# Altium PCB Mother_board_SSL2018.PcbDoc (part 1 of 2) (continued)
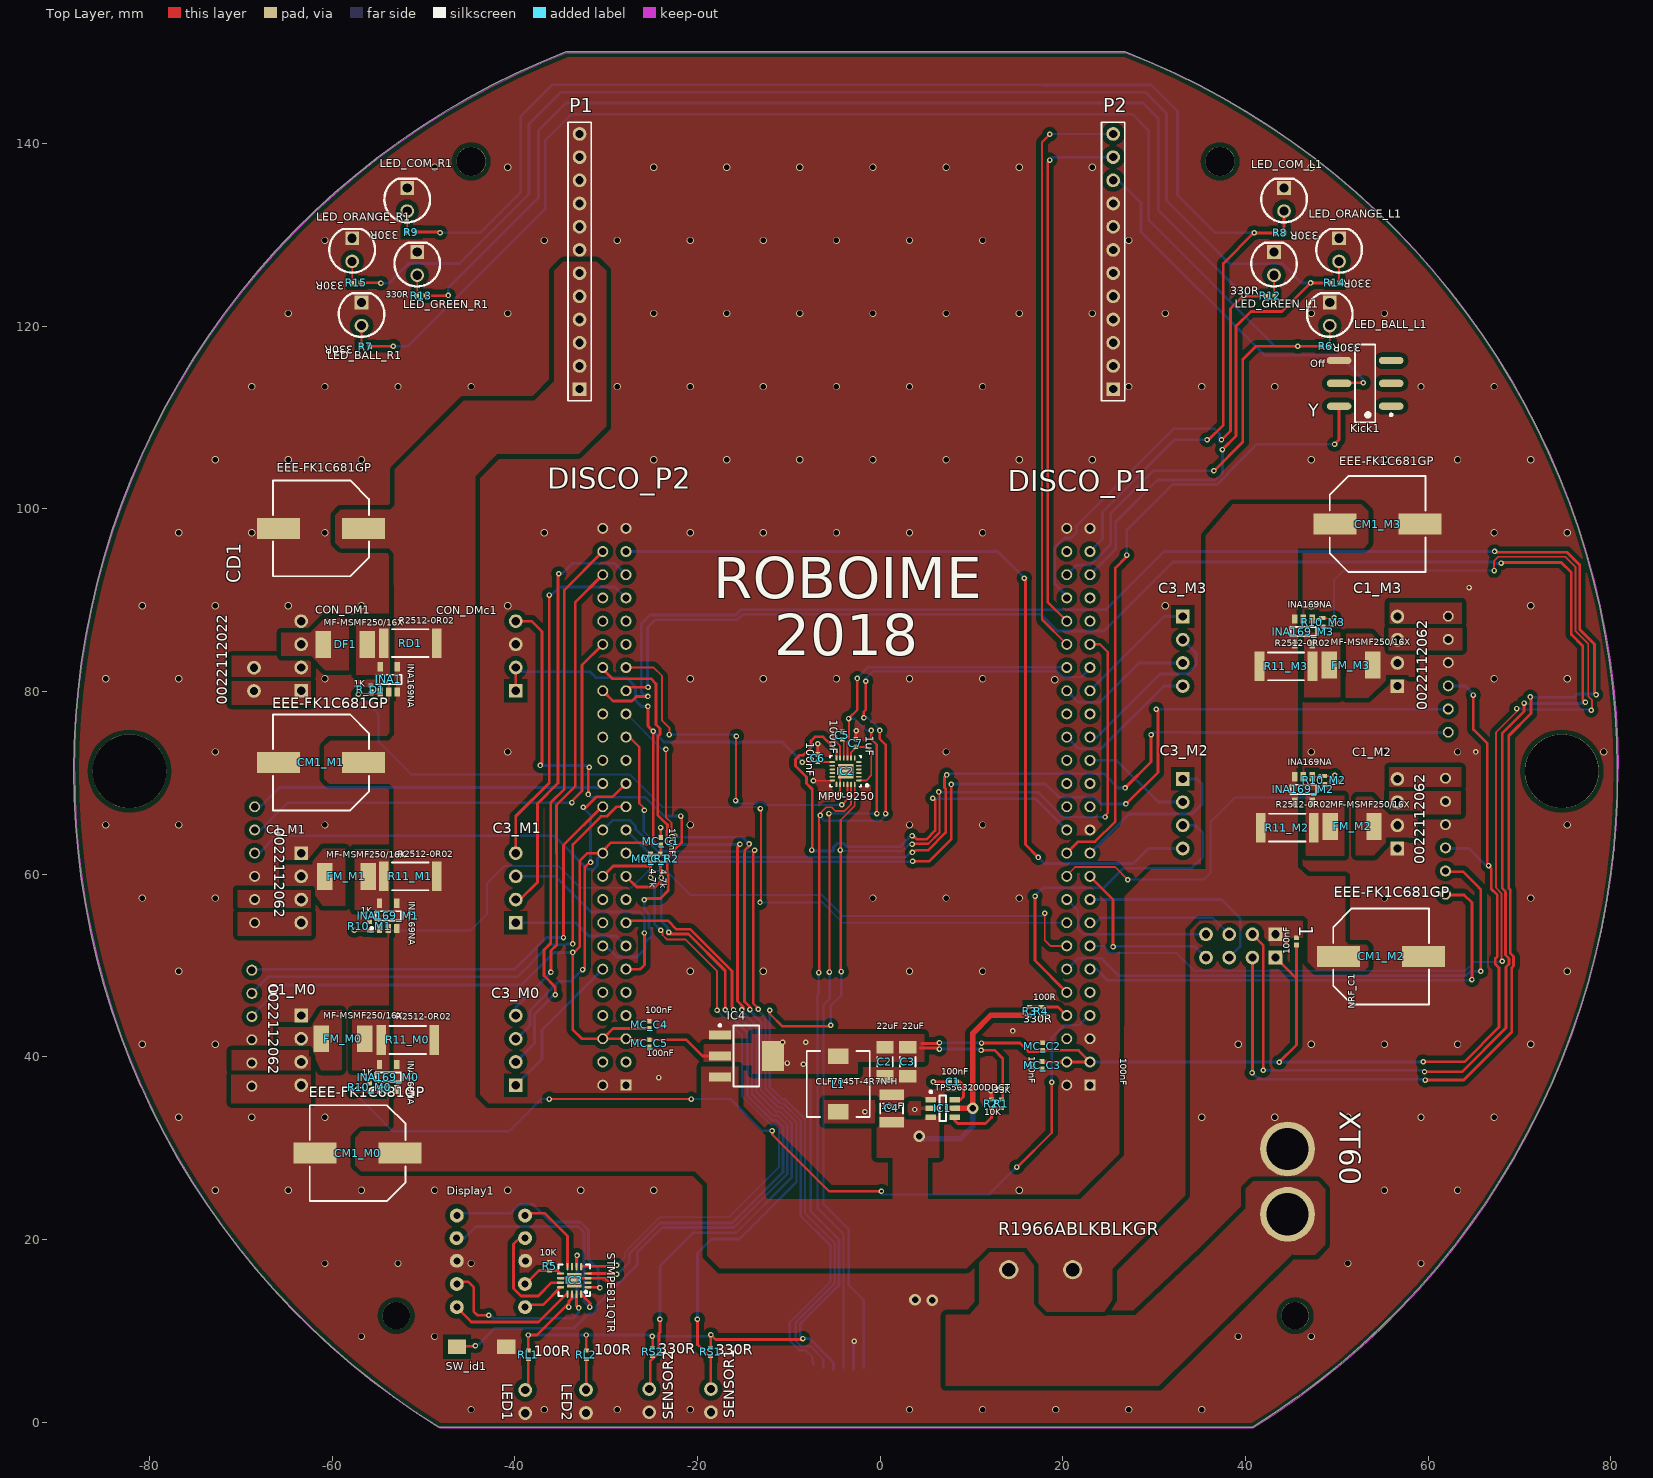
[diagram p0: Top Layer view]
## Components (designator, comment, footprint, x,y, rotation, side; value= is the part's Value field where it differs from the comment) (continued)
R12 "330R" 0402-RES-HD 42.725,123.3 r0 top value=330
R13 "330R" 0402-RES-HD -50.231,123.325 r180 top value=330
R14 "330R" 0402-RES-HD 49.775,124.725 r0 top value=330
R15 "330R" 0402-RES-HD -57.34,124.725 r180 top value=330
R_D1 "1K" 0402-RES-HD -55.763,80.201 r270 top
RD1 "R2512-0R02" 2512-RES-HD -51.445,85.281 r0 top value=0.02
RL1 "100R" 0402-RES-HD -38.512,7.38 r270 top value=100
RL2 "100R" 0402-RES-HD -32.162,7.38 r270 top value=100
RS1 "330R" 0402-RES-HD -18.55,7.684 r90 top value=330
RS2 "330R" 0402-RES-HD -24.9,7.684 r90 top value=330
SD1 "2908-05WB-MG" "New footprint 1"#2 -6.661,9.385 r0 bottom
SENSOR1 "0022112022" 02x01_Conector_Male -18.525,2.35 r90 bottom
SENSOR2 "0022112022" 02x01_Conector_Male -25.275,2.35 r90 bottom
SW "R1966ABLKBLKGR" R1966AB-PCB 14.2,6.15 r90 bottom
SW_id1 "SWITCH TACTILE 6 x 3.5 x 4.3 mm" PCBComponent -43.625,8.25 r0 top

## Footprints (in the part's own frame and the unit in brackets; to place one, negate y for a bottom-side part, rotate by r counter-clockwise, add the part's x,y. Pads: shape width x height; smd on the part's side, far side on the other; paste and mask are expansions set on the pad)
02x01_Conector_Male [mm] "0022112022"
  round 1.5 hole 0.9: 1(-1.27,0) 2(1.27,0)
  body extent -2.46,-3.25 2.46,3.1, height 3.14
04x01_Conector_Female [mm] "PPPC041LFBN-RC"
  round 1.5 hole 0.9: 0(-3.81,0) 1(-1.27,0) 2(1.27,0)
  rect 1.5x1.5 hole 0.9: 3(3.81,0)
  body extent -5.33,-1.27 5.33,1.27, height 8.5
"04x01_Conector_Female - duplicate" [mm] "PPPC041LFBN-RC"
  round 1.5 hole 0.9: 0(-3.81,0) 1(-1.27,0) 2(1.27,0)
  rect 1.5x1.5 hole 0.9: 3(3.81,0)
  body extent -5.33,-1.27 5.33,1.27, height 8.5
04x02_Conector_Female [mm] "PPPC042LFBN-RC"
  round 1.5 hole 0.9: 0(-3.81,1.27) 1(-1.27,1.27) 2(1.27,1.27) 4(-3.81,-1.27) 5(-1.27,-1.27) 6(1.27,-1.27)
  rect 1.5x1.5 hole 0.9: 3(3.81,1.27) 7(3.81,-1.27)
  body extent -5.3,-2.55 5.36,2.53, height 8.52
06x01_Conector_Male [mil] "0022112062"
  round 47.25 hole 31.5: 1(250,5) 2(150,5) 3(50,5) 4(-50,5) 5(-150,5) 6(-250,5)
  body extent -297,-115 297,135, height 124
25x02_Conector_Female [mil] "SFH11-PBPC-D25-ST-BK"
  rect 47.25x47.25 hole 31.5: 1(-1200,-50)
  round 47.25 hole 31.5: 2(-1200,50) 3(-1100,-50) 4(-1100,50) 5(-1000,-50) 6(-1000,50) 7(-900,-50) 8(-900,50) 9(-800,-50) 10(-800,50) 11(-700,-50) 12(-700,50) 13(-600,-50) 14(-600,50) 15(-500,-50) 16(-500,50) 17(-400,-50) 18(-400,50) 19(-300,-50) 20(-300,50) 21(-200,-50) 22(-200,50) 23(-100,-50) 24(-100,50) 25(0,-50) 26(0,50) 27(100,-50) 28(100,50) 29(200,-50) 30(200,50) 31(300,-50) 32(300,50) 33(400,-50) 34(400,50) 35(500,-50) 36(500,50) 37(600,-50) 38(600,50) 39(700,-50) 40(700,50) 41(800,-50) 42(800,50) 43(900,-50) 44(900,50) 45(1000,-50) 46(1000,50) 47(1100,-50) 48(1100,50) 49(1200,-50) 50(1200,50)
  body extent -1350,-121 1350,115, height 333
0402 [mm] "Chip Capacitor, Body 1.0x0.5mm, IPC High Density"
  rect 0.6x0.5 smd: 1(-0.5,0) 2(0.5,0)
  body extent -0.55,-0.3 0.55,0.3, height 1.3
0402-CAP [mm] "Chip Capacitor, Body 1.0x0.5mm, Height 0.6mm, IPC Medium Density"
  rect 0.52x0.52 smd: 1(-0.4,0) 2(0.4,0)
  body extent -0.55,-0.3 0.55,0.3, height 0.33
0402-RES-HD [mm] "Chip Resistor, Body 1.0x0.5mm, IPC High Density"
  rect 0.45x0.55 smd: 1(-0.45,0) 2(0.45,0)
  body extent -0.52,-0.27 0.53,0.28, height 0.4
1206-CAP [mm] "Chip Capacitor, Body 3.2x1.6mm, Height 1.7mm, IPC Low Density"
  rect 1.35x1.9 smd: 1(-1.6,0) 2(1.6,0)
  silkscreen extent -0.55,-0.85 0.55,0.85, body extent -1.7,-0.9 1.7,0.9, height 1.7
1210-CAP [mm]
  rect 1.15x2.7 smd: 1(-1.5,0) 2(1.5,0)
  silkscreen extent -0.55,-1.25 0.55,1.25, body extent -1.7,-1.4 1.7,1.4, height 2.8
2512-RES-HD [mm] "Chip Resistor, Body 6.4x3.2mm, IPC High Density"
  rect 1.05x3.25 smd: 1(-2.9,0) 2(2.9,0)
  silkscreen extent -2,-1.52 2,1.53, body extent -3.25,-1.7 3.25,1.7, height 0.75
BATTERY_CONECTO-PCB [mm]
  round 6 hole 4.62: 0(-3.58,0) 1(3.58,0)
  body extent -7.82,-4.19 8.08,3.96, height 16.4
CLF7045T [mm]
  rect 2.2x1.7 smd: 1(0,3.05) 2(0,-3.05)
  silkscreen extent -3.45,-3.6 3.45,3.6, body extent -3.5,-3.6 3.5,3.6, height 4.51
EEE-FK1C681GP [mm] "Aluminum Electrolytic Capacitor, Body 10,30x10,30x10,50mm, IPC Low Density"
  rect 4.7x2.3 smd: 1(-4.65,0) 2(4.65,0)
  silkscreen extent -5.25,-5.25 5.25,5.25, body extent -5.65,-5.21 5.65,5.09, height 10.41
HDR1X12 [mm] "Connector; Header; 12 Position"
  rect 1.5x1.5 hole 0.9: 1(0,0)
  round 1.5 hole 0.9: 2(2.54,0) 3(5.08,0) 4(7.62,0) 5(10.16,0) 6(12.7,0) 7(15.24,0) 8(17.78,0) 9(20.32,0) 10(22.86,0) 11(25.4,0) 12(27.94,0)
  silkscreen extent -1.27,-1.27 29.21,1.27
LED-5MM-PCB [mm]
  rect 1.5x1.5 hole 1: 1(1.27,0)
  round 1.5 hole 1: 2(-1.27,0)
  silkscreen extent -2.5,-2.5 2.28,2.5, body extent -2.98,-3.01 2.44,3.01, height 8.59
MPU-9250 [mm] "IMU ACCEL/GYRO/MAG I2C/SPI 24QFN"
  oval 0.6x0.2 smd: 1(-1.45,1) 2(-1.45,0.6) 3(-1.45,0.2) 4(-1.45,-0.2) 5(-1.45,-0.6) 6(-1.45,-1) 13(1.45,-1) 14(1.45,-0.6) 15(1.45,-0.2) 16(1.45,0.2) 17(1.45,0.6) 18(1.45,1)
  oval 0.2x0.6 smd: 7(-1,-1.45) 8(-0.6,-1.45) 9(-0.2,-1.45) 10(0.2,-1.45) 11(0.6,-1.45) 12(1,-1.45) 19(1,1.45) 20(0.6,1.45) 21(0.2,1.45) 22(-0.2,1.45) 23(-0.6,1.45) 24(-1,1.45)
  rect 1.7x1.54 smd: 18(0,0)
  silkscreen extent -2.48,-1.7 1.7,1.7, body extent -1.55,-1.55 1.55,1.55, height 1.05
"New footprint 1"#1 [mil]
  round 60 hole 30: 1(-110,190) 2(-111.22,92.52) 3(-110,-5) 4(-110,-105) 5(-110,-205) 6(184.06,190) 7(184.29,92.52) 8(185.28,-5) 9(183.31,-105) 10(184.29,-205)
  body extent -149,-255 150,245, height 283
"New footprint 1"#2 [mil]
  rect 31.5x59.06 smd: 1(-68.5,135.04) 2(-25.2,119.29) 3(18.11,135.04) 4(61.42,142.91) 5(104.72,135.04) 6(148.03,142.91) 7(191.34,135.04) 8(234.65,135.04)
  rect 55.12x74.8 smd: M1(269.29,246.85) M2(-269.29,291.73)
  rect 70.87x55.12 smd: M3(201.97,-291.73) M4(-22.44,-291.73)
  silkscreen extent -271,-292 280,308, body extent -269,-292 282,309, height 75
PCBComponent [mm]
  rect 2x1.6 smd: 1(-2.7,0) 2(2.7,0)
  body extent -3.65,-1.75 3.65,1.75, height 5
QFN16_N [mm] "QFN, 16-Leads, Body 3x3mm, Pitch 0.5mm, Thermal Pad 1.6x1.6mm, IPC Medium Density"
  oval 0.8x0.25 smd: 1(-1.5,0.75) 2(-1.5,0.25) 3(-1.5,-0.25) 4(-1.5,-0.75) 9(1.5,-0.75) 10(1.5,-0.25) 11(1.5,0.25) 12(1.5,0.75)
  oval 0.25x0.8 smd: 5(-0.75,-1.5) 6(-0.25,-1.5) 7(0.25,-1.5) 8(0.75,-1.5) 13(0.75,1.5) 14(0.25,1.5) 15(-0.25,1.5) 16(-0.75,1.5)
  rect 1.6x1.6 smd: TH(0,0)
  silkscreen extent -1.73,-1.73 1.73,1.73, body extent -1.58,-1.58 1.58,1.58, height 1
R1966AB-PCB [mm] "SWITCH ROCKER SPST 15A 125V"
  round 2.1 hole 1.5: 0(10.541,-0.117)
  round 2.1 hole 1.5 paste+0: 1(10.541,6.883)
  body extent -11.38,-10.67 11.12,10.28, height 15.6
RESC4632X16N [mm] "Chip Resistor, 2-Leads, Body 4,60x3,24mm, IPC Medium Density"
  rect 1.68x2.95 smd: 1(-2.39,0) 2(2.39,0)
  body extent -2.3,-1.62 2.3,1.62, height 1.15
SOP250P750X350-6N [mm] "SOP, 6-Leads, Body 8,50x3,00mm, Pitch 2,50mm, IPC Medium Density"
  oval 2.7x0.8 smd: 1(-2.85,2.5) 2(-2.85,0) 3(-2.85,-2.5) 4(2.85,-2.5) 5(2.85,0) 6(2.85,2.5)
  silkscreen extent -2.98,-4.25 1.1,4.25, body extent -3.62,-4.5 3.88,4.5, height 5.57
SOT95P280X110-6N [mm] "SOT23, 6-Leads, Body 2,90x2,80mm, Pitch 0,95mm, IPC Medium Density"
  rect 1.15x0.6 smd: 1(-1.3,0.95) 2(-1.3,0) 3(-1.3,-0.95) 4(1.3,-0.95) 5(1.3,0) 6(1.3,0.95)
  silkscreen extent -1.42,-1.4 0.35,1.92, body extent -0.72,-1.37 0.72,1.38, height 1.1
SOT95P280X125-5N [mm] "SOT23, 5-Leads, Body 2,90x2,80mm, Pitch 0,95mm, IPC Medium Density"
  rect 1x0.6 smd: 1(-1.375,0.95) 2(-1.375,0) 3(-1.375,-0.95) 4(1.375,-0.95) 5(1.375,0.95)
  silkscreen extent -1.5,-1.4 0.5,1.92, body extent -0.88,-1.37 0.87,1.38, height 1.25
SOT-223_N [mm] "SOT223, 4-Leads, Body 6.5x3.5mm, Pitch 2.3mm, Lead Span 7mm, IPC Medium Density"
  rect 2.4x1 smd: 1(-2.9,2.3) 2(-2.9,0) 3(-2.9,-2.3)
  rect 2.4x3.3 smd: 4(2.9,0)
  silkscreen extent -3.02,-3.35 1.4,3.47, body extent -1.85,-3.35 1.85,3.35, height 1.8

## Part data
1: library part 04x02_Conector_Female, "8 Position Header Connector 0.100\" (2.54mm) Through Hole Gold"
06x01_Conector_Male_M0 06x01_Conector_Male_M1 06x01_Conector_Male_M2 06x01_Conector_Male_M3: library part 06x01_Conector_Male, "CONN HEADER 6POS .100 VERT GOLD"
BAT: library part BATTERY_CONNECTOR, "XT60 PRT-10474"
C1: library part CC0402-100nF-50v-A.3, "CAP CER 0.1UF 50V 10% X7R 0402", Part No=C1005X7R1H104K050BB, Cod EMS=05.281.019.021
C1_M0 C1_M1 C1_M2 C1_M3 C3_M0 C3_M1 C3_M2 C3_M3 CON_DM1 CON_DMc1: library part 04x01_Conector_Female-SCH, "4 Position Header Connector 0.100\" (2.54mm) Through Hole Gold"
C2 C3: library part CC1206-22uF-6.3V-1, "CAP CER 22UF 6.3V 20% X5R 1206", Part No=C3216X5R0J226M085AC, Rule="Polygon Connect Style [Style - Direct Connect]"
C4: library part CC1210-10uF-6, "CAP CER 10UF 50V 20% X5R 1210", Part No=UMK325BJ106MM, Cod EMS=05.281.019.522
C5 C6 MC_C1 MC_C2 MC_C3 MC_C4 MC_C5 NRF_C1: library part CC0402-100nF-A.12, "CAP CER 0.1UF 10V 20% X5R 0402", Part No=VJ0402V104ZXQPBC, Cod EMS=05.281.006.133
C7: library part CC0402-1uF-5, "CAP CER 1UF 6.3V 10% X5R 0402", Part No=JMK105BJ105KV-F, Cod EMS=05.281.019.513
CD1 CM1_M0 CM1_M1 CM1_M2 CM1_M3: library part "CAP AL 680UF/16V", "Aluminum Electrolytic Capacitors - SMD Al Lytic Cap SMT FK Series 105C"
CON_DRIBLE1 LED1 LED2 SENSOR1 SENSOR2: library part 02x01_Conector_Male, "CONN HEADER 2POS .100 VERT GOLD"
DF1 FM_M0 FM_M1 FM_M2 FM_M3: library part MF-MSMF250/16X-01.A.1, "PTC RESETTABLE .30A 30V 1812"
DISCO_P1 DISCO_P2: library part 25x02_Conector_Female, "50 Position Header Connector 0.100\" (2.54mm) Through Hole Gold"
Display1: library part HDSP-F513-01.A.2, "7 segments display"
IC1: library part TPS563200DDCT-01.A.2, "IC REG BUCK ADJ 3A SYNC 6SOT"
IC2: library part MPU-9250-1, "IMU ACCEL/GYRO/MAG I2C/SPI 24QFN", Part No=MPU-9250
IC3: library part STMPE811QTR-6, "IC TSC I/O EXPAND 8B 16QFN", Cod EMS=05.284.001.511, Part No=STMPE811QTR
IC4: library part CMP-0244-00307-1, "Fixed Low Drop Positive Voltage Regulator, 3.3V, 4-Pin SOT-223, Tape and Reel", ComponentLink1Description="Manufacturer URL", ComponentLink1URL=http://www.st.com, ComponentLink2Description=Datasheet, ComponentLink2URL=http://www.st.com/internet/com/TECHNICAL_RESOURCES/TECHNICAL_LITERATURE/DATASHEET/CD00000544.pdf, DatasheetVersion=1/11/2011, PackageDescription="4-Pin SOT-223 Package, 6.5 x 3.5 mm Body, 2.3 mm Pitch, 7 mm Lead Span", PackageReference=SOT-223, PackageVersion=2010
INA1 INA169_M0 INA169_M1 INA169_M2 INA169_M3: library part INA169NA-01.A.1, "IC CURRENT MONITOR 0.5% SOT23-5"
Kick1: library part JS202011SCQN-1, "SWITCH SLIDE DPDT 300MA 6V", Part No=JS202011SCQN
L1: library part CLF7045T-4R7N-H-2, "FIXED IND 4.7UH 4.1A 20 MOHM SMD", Family=CLF7045T, Family Description="INDUTORES FIXOS 7,2x6,9mm TDK CLF7045T -45 A 125oC", Part No=CLF7045T-4R7N-H, Rule="Polygon Connect Style [Style - Direct Connect]"
LED_BALL_L1 LED_BALL_R1 LED_COM_L1 LED_COM_R1 LED_GREEN_L1 LED_GREEN_R1 LED_ORANGE_L1 LED_ORANGE_R1: library part LED-5MM-3, "LED 5MM PTH"
MC_R1 MC_R2: library part Res1, "Resistor", LatestRevisionDate=17-Jul-2002, LatestRevisionNote="Re-released for DXP Platform.", PackageDescription="Axial Device, Thru-Hole; 2 Leads; 0.3 in Pin Spacing", PackageReference=AXIAL-0.3, Published=8-Jun-2000, Publisher="Altium Limited"
P1 P2: "Header, 12-Pin", LatestRevisionDate=17-Jul-2002, LatestRevisionNote="Re-released for DXP Platform.", Publisher="Altium Limited"
R1: library part R0402-33K-7, "RES 33K OHM 1/10W 1% 0402 SMD", Part No=ERJ-2RKF3302X, Cod EMS=05.280.029.535, Family=ERJ-2RKF....X, Family Description="RESISTOR FILME ESPESSO 10R-1M / 1/10W / 1% / 0402. P/N: ERJ-2RKF....X – PANASONIC ELECTRONIC COMPONENTS."
R2: library part R0402-10K-10, "RES 10K OHM 1/10W 1% 0402 SMD", Part No=ERJ-2RKF1002X, Cod EMS=05.280.029.525, Family=ERJ-2RKF....X, Family Description="RESISTOR FILME ESPESSO 10R-1M / 1/10W / 1% / 0402. P/N: ERJ-2RKF....X – PANASONIC ELECTRONIC COMPONENTS."
R3: library part R0402-10K-10, "RES 330R OHM 1/10W 1% 0402 SMD", Part No=ERJ-2RKF1002X, Cod EMS=05.280.029.525, Family=ERJ-2RKF....X, Family Description="RESISTOR FILME ESPESSO 10R-1M / 1/10W / 1% / 0402. P/N: ERJ-2RKF....X – PANASONIC ELECTRONIC COMPONENTS."
R4: library part R0402-33K-7, "RES 100R OHM 1/10W 1% 0402 SMD", Part No=ERJ-2RKF3302X, Cod EMS=05.280.029.535, Family=ERJ-2RKF....X, Family Description="RESISTOR FILME ESPESSO 10R-1M / 1/10W / 1% / 0402. P/N: ERJ-2RKF....X – PANASONIC ELECTRONIC COMPONENTS."
R5: library part R0402-10K-11, "RES 10K OHM 1/10W 1% 0402 SMD", Part No=ERJ-2RKF1002X, Cod EMS=05.280.029.525, Family=ERJ-2RKF....X, Family Description="RESISTOR FILME ESPESSO 10R-1M / 1/10W / 1% / 0402. P/N: ERJ-2RKF....X – PANASONIC ELECTRONIC COMPONENTS."
R6 R7 R8 R9 R12 R13 R14 R15 RS1 RS2: library part R0402-330R-7, "RES 330 OHM 1/10W 1% 0402 SMD", Part No=ERJ-2RKF3300X, Cod EMS=05.280.029.506, Family=ERJ-2RKF....X, Family Description="RESISTOR FILME ESPESSO 10R-1M / 1/10W / 1% / 0402. P/N: ERJ-2RKF....X – PANASONIC ELECTRONIC COMPONENTS."
R10_M0 R10_M1 R10_M2 R10_M3 R_D1: library part R0402-1K-A.9, "RES 1K OHM 1/10W 1% 0402 SMD", Part No=ERJ-2RKF1001X, Cod EMS=05.280.029.527, Family=ERJ-2RKF....X, Family Description="RESISTOR FILME ESPESSO 10R-1M / 1/10W / 1% / 0402. P/N: ERJ-2RKF....X – PANASONIC ELECTRONIC COMPONENTS."
R11_M0 R11_M1 R11_M2 R11_M3 RD1: library part R2512-0R02-4, "RES .02 OHM 2W 1% 2512 SMD", Part No=WSL2512R0200FEA18, Cod EMS=05.280.029.529, Family=WSL2512.....FEA18, Family Description="RESISTOR SENTIDO DE CORRENTE 0,010R-0,040R/ 2W / 1% / 2512 P/N: WSL2512.....FEA18 – VISHAY DALE."
RL1 RL2: library part R0402-100R-5, "RES 100 OHM 1/10W 1% 0402 SMD", Part No=ERJ-2RKF1000X, Cod EMS=05.280.029.519, Family=ERJ-2RKF....X, Family Description="RESISTOR FILME ESPESSO 10R-1M / 1/10W / 1% / 0402. P/N: ERJ-2RKF....X – PANASONIC ELECTRONIC COMPONENTS."
SD1: library part 2908-05WB-MG-01.A.1, "CONN MICRO SD CARD PUSH-PUSH R/A"
SW: library part "Rocker Switch", "SWITCH ROCKER SPST 15A 125V"
SW_id1: library part 95C04A3GWRT.-1, "GRAYHILL TACT,GW,6X3.5,1800T&R,LF Eight, 160g Operating Force, Gull Wing, RoHS Compliant", Part No=95C04A3GWRT

## Free pads (board coordinates)
  round 8.083 hole 8.083: 1(-82.183,71.261) 1(74.633,71.261)
  round 3 hole 3: 1(-52.977,11.663) 1(45.427,11.663)
  round 3.2 hole 3.2: 1(-44.775,138.025) 1(37.225,138.025)

## Via types
v1: diameter 0.6, hole 0.3, Top Layer to Bottom Layer, 167 vias
v2: diameter 0.8, hole 0.6, Top Layer to Bottom Layer, 160 vias
v3: diameter 1.27, hole 0.711, Top Layer to Bottom Layer, 4 vias

## Nets (pads, with @x,y where several pads share a name; then routed paths per layer and width w, separated by ;. In a path a pad name is that pad's centre, name@x,y a point inside that pad or via, vN(x,y) a via of type N, cw(c..) or ccw(c..) an arc to the next point about the centre after c; other vN are vias at no path point)
a: Display1.6 IC3.8 | length 8.9
  Top Layer w0.3: Display1.6@-38.75,22.876 -36.726,22.876 -34.235,20.385 IC3.8@-34.235,17.017
b: Display1.7 IC3.11 | length 12.7
  Top Layer w0.3: Display1.7@-38.744,20.4 -39.225,20.4 -40.125,19.5 -40.125,14.625 -39.3,13.8 -37.425,13.8 -35.958,15.267 IC3.11@-34.985,15.267
BAT_REF: DISCO_P1.8 R3.1 R4.2 | length 5.9
  Top Layer w0.3: R4.2@17.643,45.436 R3.1@16.373,45.436 19.464,45.436 20.412,44.488 DISCO_P1.8@20.525,44.375
Blue_led: DISCO_P1.47 R8.1 R9.1 | length 162.2
  Top Layer w0.3: R9.1@-50.85,130.3 v1@-48.175,130.3 ; v1@35.9,107.5 37.575,109.175 37.575,126.85 v1(40.95,130.225) ; v1@41.075,130.2 R8.1@43.35,130.2
  Bottom Layer w0.3: v1(-48.175,130.225) -43.75,130.225 -39.35,134.625 -39.35,142.925 -35.85,146.425 18,146.425 18.025,146.4 29.7,146.4 32.55,143.55 32.55,134.35 36.675,130.225 v1(40.95,130.225) ; DISCO_P1.47@22.977,95.314 24.35,96.687 24.35,99.65 32.25,107.55 v1(35.8,107.55)
c: Display1.10 IC3.12 | length 4.6
  Top Layer w0.3: Display1.10@-38.744,12.843 -36.909,12.843 IC3.12@-34.985,14.767
CA: DISCO_P1.40 P2.12 | length 64.4
  Top Layer w0.255: v1(18.575,141) 18.575,140.967 17.725,140.117 17.725,133.143 17.725,87.866 DISCO_P1.40@20.437,85.154
  Bottom Layer w0.255: v1(18.575,141) 18.575,140.992 18.562,140.979 18.562,141.034 P2.12@25.517,141.034
CB: DISCO_P1.42 P2.11 | length 58.7
  Top Layer w0.255: v1(18.575,138.175) 18.337,137.937 18.337,89.794 DISCO_P1.42@20.437,87.694
  Bottom Layer w0.255: v1(18.575,138.175) 18.467,138.175 18.786,138.494 P2.11@25.517,138.494
CE: Kick1.5 P2.10 | length 41.5
  Top Layer w0.3: Kick1.5@50.025,113.8 v1(52.9,113.8)
  Bottom Layer w0.3: P2.10@25.517,135.954 26.121,135.954 28.575,133.5 28.575,130.325 42.088,116.812 50.212,116.812 52.9,114.125 v1(52.9,113.8)
CE_uc: DISCO_P1.22 Kick1.6 | length 70.1
  Top Layer w0.3: DISCO_P1.22@20.437,62.294 21.693,63.55 23.525,63.55 25.75,65.775 25.75,93.5 27,94.75 v1(27,94.925) ; v1(49.75,107.05) 50.25,107.55 Kick1.6@50.25,111.225
  Bottom Layer w0.3: v1@27,95.05 27,97.65 32,102.65 36.907,102.65 37.975,103.718 37.975,103.825 41.2,107.05 v1(49.75,107.05)
d: Display1.5 IC3.13 | length 14.3
  Top Layer w0.3: Display1.5@-46.219,12.843 -46.219,12.419 -44.75,10.95 -37.4,10.95 -34.333,14.017 IC3.13@-34.235,14.017
D_CUR: DISCO_P1.16 INA1.1 R_D1.2 | length 98.5
  Top Layer w0.2: v1@-57.166,79.751 R_D1.2@-55.763,79.751 -54.943,79.751 INA1.1@-54.747,79.947 ; v1(-13.15,56.9) -13.05,57 -13.05,67.125 v1(-13.1,67.175)
  Bottom Layer w0.2: v1(-57.113,79.679) -54.913,77.479 -54.913,74.479 -51.348,70.914 -27.409,70.914 -23.82,67.325 -13.25,67.325 v1(-13.1,67.175) v1@-12.95,67.025 ; v1(-13.15,56.9) -6.442,56.9 -6.392,56.95 -4.115,54.674 DISCO_P1.16@20.437,54.674
DA: CON_DM1.2 CON_DRIBLE1.2
DAH: CON_DMc1.0 DISCO_P2.14 | length 60.4
  Top Layer w0.3: CON_DMc1.0@-39.888,87.694 -38.151,87.694 -37.025,86.568 v1@-37.025,72.125 ; v1(-31.95,68.725) -31.95,71.6 v1(-31.85,71.7) ; -25.525,57.325 -24.05,57.325 -23.2,58.175 -23.2,59.936 -23.3,60.036 -23.3,61.875 -21.725,63.45 -21.725,66.254 v1(-21.825,66.354)
  Bottom Layer w0.3: v1(-37.2,71.9) -32.225,71.9 v1@-31.975,71.65 ; v1(-31.95,68.725) -31.95,68.697 -31.676,68.424 -25.724,68.424 -23.654,66.354 v1(-21.825,66.354) ; DISCO_P2.14@-30.363,52.134 -30.034,52.134 -28.825,50.925 -26.525,50.925 -26.525,51.025 -25.75,51.8 -25.75,52.539 -25.05,53.239 -25.05,53.861 -25.3,54.111 -25.3,55.586 -25.825,56.111 v1(-25.825,57.2)
DB: CON_DM1.3 CON_DRIBLE1.1
DP: Display1.9 IC3.9 R5.1 | length 4.5
  Top Layer w0.3: Display1.9@-38.769,15.383 -38.567,15.383 -37.35,16.6 R5.1@-36.175,16.6 ; R5.1@-36.2,16.6 -35.318,16.6 IC3.9@-34.985,16.267
e: Display1.4 IC3.15 | length 18.7
  Top Layer w0.3: Display1.4@-46.219,15.383 -45.108,15.383 -44.5,14.775 -44.5,12.125 -44.075,11.7 v1(-42.85,11.7) ; -33.235,12.71 IC3.15@-33.235,14.017
  Bottom Layer w0.3: v1@-43.025,11.675 v1@-42.85,11.675 ; v1(-42.85,11.7) -42.679,11.7 -42.352,11.373 -33.602,11.373 -33,11.975 v1(-33,12.5)
f: Display1.2 IC3.16 | length 24.9
  Top Layer w0.3: IC3.16@-32.735,14.017 -31.697,12.978 -31.8,12.875 v1(-31.8,12.6)
  Bottom Layer w0.3: Display1.2@-46.206,20.142 -45.508,20.142 -44.244,21.406 -33.031,21.406 -32.425,20.8 -32.425,13.225 v1(-31.8,12.6)
g: Display1.1 IC3.1 | length 23.9
  Top Layer w0.3: IC3.1@-31.985,14.767 v1@-30.858,14.767
  Bottom Layer w0.3: Display1.1@-46.219,22.876 -40.424,22.876 -39.47,23.83 -37.98,23.83 -36.056,21.906 -32.824,21.906 -31.925,21.007 -31.925,17.775 -30.85,16.7 -30.85,14.806 -30.744,14.7 v1(-30.675,14.7) v1@-30.675,14.625
GND: 1.3 06x01_Conector_Male_M0.3 06x01_Conector_Male_M1.3 06x01_Conector_Male_M2.3 06x01_Conector_Male_M3.3 BAT.1 C1_M0.3 C1_M1.3 C1_M2.3 C1_M3.3 C2.1 C3.1 C4.1 C5.2 C6.2 C7.2 CD1.2 CM1_M0.2 CM1_M1.2 CM1_M2.2 CM1_M3.2 CON_DM1.0 CON_DMc1.1 DISCO_P1.1 DISCO_P1.2 DISCO_P1.5 DISCO_P1.23 DISCO_P1.49 DISCO_P1.50 DISCO_P2.1 DISCO_P2.2 DISCO_P2.49 DISCO_P2.50 Display1.3 Display1.8 IC1.1 IC2.11 IC2.18 IC2.20 IC3.3 IC3.10 IC3.TH IC4.1 INA1.2 INA169_M0.2 INA169_M1.2 INA169_M2.2 INA169_M3.2 Kick1.4 LED1.1 LED2.1 LED_BALL_L1.1 LED_BALL_R1.1 LED_COM_L1.1 LED_COM_R1.1 LED_GREEN_L1.1 LED_GREEN_R1.1 LED_ORANGE_L1.1 LED_ORANGE_R1.1 MC_C1.1 MC_C2.2 MC_C3.1 MC_C4.1 MC_C5.1 NRF_C1.2 P1.7 P1.8 P1.9 P1.10 P1.11 P1.12 P2.1 P2.2 P2.3 P2.4 P2.5 P2.6 P2.7 P2.8 P2.9 R2.1 R4.1 R5.2 R10_M0.1 R10_M1.1 R10_M2.1 R10_M3.1 R_D1.1 SD1.6 SENSOR1.1 SENSOR2.1 SW_id1.2 | length 20.5
  Top Layer w0.2: v1@-7.175,70.25 -5.225,70.226 IC2.18@-5.175,70.225 ; -5.15,75.6 -5.15,74.8 -4.375,74.025 IC2.11@-4.375,72.625 ; v1@-4.375,68.825 IC2.18@-4.375,71.225
  Top Layer w0.3: IC3.10@-34.985,15.767 -33.735,15.767 IC3.TH@-33.485,15.517 -33.235,15.767 IC3.3@-31.985,15.767 -31.96,15.742 -30.067,15.742 -29.625,15.3 ; MC_C1.1@-24.013,64.004 v1@-24.013,64.962 ; C6.2@-6.825,73.1 v1(-6.825,74.275) ; C7.2@-2.675,74.75 v1@-2.675,75.675 ; R2.1@12.182,35.312 v1@12.182,36.332
  Bottom Layer w0.3: SD1.6@-2.901,5.755 v1@-2.901,8.724
  other v1: -2.825,8.85 12.1,36.3 -24.225,37.725 14.525,42.825 -24.038,65.1 -4.35,68.725 -7.3,70.226 65.2,73.375 -2.625,75.696 64.475,91.375
  other v2: -44.782,1.377 -36.782,1.377 -28.782,1.377 -20.782,1.377 3.218,1.377 11.218,1.377 19.218,1.377 27.218,1.377 35.218,1.377 -56.782,9.377 -48.782,9.377 39.218,9.377 47.218,9.377 -60.782,17.377 -52.782,17.377 -44.782,17.377 51.218,17.377 59.218,17.377 -72.782,25.377 -64.782,25.377 -56.782,25.377 -48.782,25.377 -40.782,25.377 -32.782,25.377 -24.782,25.377 15.218,25.377 55.218,25.377 63.218,25.377 -76.782,33.377 -68.782,33.377 -60.782,33.377 35.218,33.377 43.218,33.377 51.218,33.377 59.218,33.377 67.218,33.377 -80.782,41.377 -72.782,41.377 39.218,41.377 47.218,41.377 55.218,41.377 63.218,41.377 71.218,41.377 -76.782,49.377 -20.782,49.377 -12.782,49.377 3.218,49.377 11.218,49.377 75.218,49.377 -80.782,57.377 -72.782,57.377 -0.782,57.377 7.218,57.377 15.218,57.377 55.218,57.377 71.218,57.377 -84.782,65.377 -76.782,65.377 -60.782,65.377 -20.782,65.377 3.218,65.377 11.218,65.377 75.218,65.377 -72.782,73.377 -40.782,73.377 7.218,73.377 47.218,73.377 55.218,73.377 63.218,73.377 79.218,73.377 19.126,81.272 -84.782,81.377 -76.782,81.377 -60.782,81.377 -20.782,81.377 -12.782,81.377 -4.782,81.377 3.218,81.377 11.218,81.377 67.218,81.377 75.218,81.377 -80.782,89.377 -72.782,89.377 -64.782,89.377 -56.782,89.377 -40.782,89.377 31.218,89.377 47.218,89.377 71.218,89.377 -76.782,97.377 -68.782,97.377 -60.782,97.377 -36.782,97.377 -20.782,97.377 -12.782,97.377 -4.782,97.377 3.218,97.377 11.218,97.377 67.218,97.377 75.218,97.377 -72.782,105.377 -64.782,105.377 -56.782,105.377 -24.782,105.377 -16.782,105.377 -8.782,105.377 -0.782,105.377 7.218,105.377 15.218,105.377 23.218,105.377 47.218,105.377 55.218,105.377 63.218,105.377 71.218,105.377 -68.782,113.377 -60.782,113.377 -52.782,113.377 -44.782,113.377 -28.782,113.377 -20.782,113.377 -12.782,113.377 -4.782,113.377 3.218,113.377 11.218,113.377 27.218,113.377 35.218,113.377 43.218,113.377 59.218,113.377 67.218,113.377 -64.782,121.377 -40.782,121.377 -24.782,121.377 -16.782,121.377 -8.782,121.377 -0.782,121.377 7.218,121.377 15.218,121.377 23.218,121.377 31.218,121.377 47.218,121.377 55.218,121.377 -60.782,129.377 -36.782,129.377 -28.782,129.377 -20.782,129.377 -12.782,129.377 -4.782,129.377 3.218,129.377 11.218,129.377 27.218,129.377 -48.782,137.377 -40.782,137.377 -24.782,137.377 -16.782,137.377 -8.782,137.377 -0.782,137.377 7.218,137.377 15.218,137.377 23.218,137.377 47.218,137.377
  other v3: 5.725,13.332 3.825,13.4
I2C.SCL: DISCO_P2.19 IC3.4 MC_R2.1 | length 72
  Top Layer w0.3: IC3.4@-31.985,16.267 v1@-28.933,16.267 ; DISCO_P2.19@-27.823,59.754 -26.644,58.575 -24.625,58.575 -24.038,59.162 MC_R2.1@-24.038,61.129 ; v1@-23.275,53.45 -20.984,53.45 -16.951,49.416 v1(-16.951,45.145) ; -21.125,53.45 -21.1,53.425
  Bottom Layer w0.3: v1(-28.85,16.2) -28.764,16.2 -27.454,17.511 -27.454,18.454 -24.107,21.8 -16.2,21.8 -10.635,27.365 -10.635,32.336 -11.349,33.05 -11.833,33.05 -14.51,35.727 -14.51,41.485 -14.532,41.507 -14.532,42.632 -16.295,44.395 -16.361,44.395 -16.951,44.984 v1(-16.951,45.145) ; v1(-23.95,59.625) -23.95,54.835 -23.276,54.161 v1@-23.276,53.851
  other v1: -23.126,53.62
I2C.SDA: DISCO_P2.20 IC3.5 MC_R1.1 | length 72.4
  Top Layer w0.2: v1@-24.05,53.9 -24.026,53.876 v1(-24.026,53.85) -23.826,53.65 -23.826,53.33 -23.348,52.852 -21.327,52.852 -17.851,49.376 v1(-17.851,45.095)
  Top Layer w0.3: -32.575,17.075 v1@-29.025,17.075 ; DISCO_P2.20@-30.363,59.754 -29.22,60.897 -25.42,60.897 MC_R1.1@-25.138,61.179 v1@-25.138,59.738
  Bottom Layer w0.2: v1(-28.85,17.175) -27.904,18.121 -27.904,18.64 -24.118,22.425 -16.575,22.425 -11.085,27.915 -11.085,32.15 -11.535,32.6 -12.02,32.6 -15.125,35.705 -15.125,42.369 -17.201,44.445 -17.241,44.445 -17.851,45.055 v1(-17.851,45.095)
  Bottom Layer w0.3: v1(-25.125,59.625) -24.7,59.2 -24.7,54.524 v1(-24.026,53.85)
ID_B: DISCO_P2.15 SW_id1.1 | length 84.3
  Top Layer w0.3: SW_id1.1@-46.475,8.3 v1@-44.35,8.3 ; DISCO_P2.15@-27.823,54.674 -27.501,54.674 -27.275,54.9 -23.225,54.9 -22.275,53.95 -20.777,53.95 -16.202,49.375 -16.202,45.457 -16.201,45.456 -16.201,45.295 v1(-16.051,45.145)
  Bottom Layer w0.255: -16.025,21.3 -10.157,27.167 -10.157,32.534 -11.151,33.527 -11.635,33.527 -14.032,35.925 -14.032,41.175
  Bottom Layer w0.3: v1@-44.425,8.525 -43.925,8.525 -42.161,10.289 -33.511,10.289 -31.95,11.85 -31.489,11.85 -31.05,12.289 -31.05,12.75 -26.6,17.2 -26.6,18.575 -23.875,21.3 -16.025,21.3 ; v1(-44.3,8.35) v1@-44.261,8.389 ; v1(-16.051,45.145) -16.051,44.984 -14.032,42.966 -14.032,41.715 -14.01,41.692 -14.01,41.175
INT_MPU: DISCO_P1.24 IC2.12 | length 53.4
  Top Layer w0.2: -5.4,74.175 -4.775,73.55 IC2.12@-4.775,72.711
  Top Layer w0.3: -8.037,70.463 -8.05,70.475 ; v1(-7.475,62.625) -7.425,62.675 -7.425,69.29 -8.05,69.915 -8.05,70.475 ; -5.4,74.175 -6.25,75.025 -7.136,75.025 -7.575,74.586 -7.575,73.85 -8.425,73 -8.836,73 -9.275,72.561 -9.275,71.85 -8.05,70.625 -8.05,70.536 -8.05,70.475 ; v1@3.65,64.021 3.811,64.021 4.029,63.802 5.077,63.802 6.025,64.751 6.025,68.05 v1(5.775,68.3)
  Bottom Layer w0.3: v1@-7.35,62.525 -5.198,62.525 -5.1,62.623 -5.1,62.936 -4.661,63.375 -4.039,63.375 -3.667,63.002 2.227,63.002 2.75,63.526 2.75,63.581 3.369,64.2 v1(3.5,64.2) ; v1@5.614,68.2 v1@5.664,68.25 ; v1(5.775,68.3) v1@5.714,68.3 ; DISCO_P1.24@20.437,64.834 17.021,68.25 v1@5.664,68.25 ; v1@5.664,68.25 5.55,68.25 5.6,68.3 v1@5.714,68.3 ; v1@5.664,68.25 v1@5.714,68.3
LED_G: DISCO_P1.44 R12.1 R13.1 | length 167.7
  Top Layer w0.3: R13.1@-49.75,123.325 -47.65,123.325 ; v1@37.375,107.525 38.35,108.5 38.35,121.9 v1(39.8,123.35) ; v1@39.875,123.275 R12.1@42.2,123.275
  Bottom Layer w0.3: v1(-47.275,123.35) -47.275,124.2 -37.4,134.075 -37.4,141.4 -34.375,144.425 28.75,144.425 30.45,142.725 30.45,132.725 39.8,123.375 v1(39.8,123.35) ; DISCO_P1.44@20.437,90.234 20.437,90.463 19.1,91.8 19.1,95.725 20.178,96.803 20.872,96.803 21.487,97.419 21.487,98.112 32.125,108.75 36.6,108.75 37.15,108.2 37.15,107.35 37.35,107.55 v1(37.375,107.55)
LED_O: DISCO_P1.45 R14.1 R15.1 | length 181.4
  Top Layer w0.3: R15.1@-56.925,124.75 v1@-54.55,124.75 ; v1@37.513,106.512 38.975,107.975 38.975,119.975 40.6,121.6 44,121.6 v1(47.125,124.725) R14.1@49.375,124.725
  Bottom Layer w0.3: v1(-54.65,124.7) -53.775,124.7 -51.625,126.85 -46.05,126.85 -38.45,134.45 -38.45,142.1 -34.95,145.6 29.05,145.6 31.35,143.3 31.35,133.725 38.25,126.825 44.05,126.825 46.15,124.725 v1(47.125,124.725) ; DISCO_P1.45@22.977,92.774 25.8,95.597 25.8,98.575 30.375,103.15 36.7,103.15 37.475,103.925 v1(37.475,106.475)
LED_R: DISCO_P1.46 R6.1 R7.1 | length 178.3
  Top Layer w0.3: R7.1@-55.825,117.8 v1(-53.3,117.8) ; v1@36.5,104.1 v1(36.55,104.15) 39.7,107.3 39.7,116.35 41.125,117.775 v1(45.725,117.775) R6.1@48.3,117.775
  Bottom Layer w0.3: v1(-53.3,117.8) -51.7,117.8 -36.65,132.85 -36.65,140.35 -33.8,143.2 27.625,143.2 29.4,141.425 29.4,131.625 43.25,117.775 v1(45.725,117.775) ; DISCO_P1.46@20.437,92.774 21.488,93.825 23,93.825 25.25,96.075 25.25,99.475 29.95,104.175 29.975,104.15 v1(36.55,104.15)
M0_CUR: DISCO_P1.7 INA169_M0.1 R10_M0.2 | length 105.7
  Top Layer w0.2: INA169_M0.1@-55.026,36.19 INA169_M0.1@-54.808,36.408
  Top Layer w0.255: v1@-57.824,36.19 R10_M0.2@-55.89,36.19 INA169_M0.1@-55.026,36.19 ; v1(-36.213,35.375) -20.725,35.375 -20.7,35.4 v1(-20.675,35.375) ; v1(-11.825,31.9) -11.825,31.516 -5.584,25.275 v1(0.15,25.275) ; v1(14.95,27.925) 15.05,27.925 18.8,31.675 v1(18.8,37.2)
  Bottom Layer w0.255: v1(-57.688,36.179) -53.363,31.854 -40.621,31.854 -37.075,35.4 -37.05,35.375 v1(-36.213,35.375) ; v1(-20.675,35.375) -16.375,35.375 -12.9,31.9 v1(-11.825,31.9) ; 0.175,24.925 11.933,24.925 v1@14.942,27.933 ; v1(18.8,37.2) 18.8,42.092 20.194,43.486 21.844,43.486 22.872,44.514 DISCO_P1.7@22.977,44.514